# KiCad board 8851_HW-U1-VCU118_REV2-0_071417.kicad_pcb (continued)
## Placement (name value [footprint] x y rotation side) (continued)
Q19  -  [unnamed#80]  198.34 64.3 0 top
Q20  -  [unnamed#115]  199.38 56.3 0 top
Q21  -  [unnamed#11]  222.43 38.15 90 top
Q22  -  [unnamed#9]  174.25 27.68 0 top
Q23  -  [unnamed#11]  222.43 36.03 90 top
Q24  -  [unnamed#9]  201.62 157.93 0 top
Q25  -  [unnamed#52]  187.91 142.93 180 top
Q26  -  [unnamed#141]  200.88 157.55 270 top
Q27  -  [unnamed#9]  87.26 99.11 0 top
Q28  -  [unnamed#41]  171.62 27.55 270 top
Q34  -  [unnamed#9]  2.3 135.07 0 top
Q35  -  [unnamed#9]  4.92 135.44 0 top
Q36  -  [unnamed#9]  211.29 153.86 0 top
Q37  -  [unnamed#9]  202.82 153.84 0 top
Q39  -  [unnamed#119]  42.3 110.27 90 top
Q40  -  [unnamed#173]  50.9 111.42 90 top
Q41  -  [unnamed#9]  207 153.9 0 top
Q42  -  [unnamed#96]  157.17 122.97 270 top
Q43  -  [unnamed#51]  222.66 46.18 180 top
Q45  -  [unnamed#149]  189.45 37.97 90 top
Q47  -  [unnamed#149]  180.33 38.47 90 top
Q48  -  [unnamed#150]  148.88 122.55 270 top
Q49  -  [unnamed#52]  222 54.55 180 top
Q51  -  [unnamed#52]  191.83 47.34 180 top
Q52  -  [unnamed#62]  15.12 70.55 180 top
Q53  -  [unnamed#62]  13.25 70.55 180 top
Q54  -  [unnamed#9]  20.88 65.92 0 top
Q55  -  [unnamed#62]  17 70.55 180 top
Q56  -  [unnamed#9]  20.88 63.8 0 top
Q57  -  [unnamed#9]  18.88 63.17 0 top
Q58  -  [unnamed#141]  201.17 162.27 270 top
Q59  -  [unnamed#9]  40.55 140.31 0 top
Q60  -  [unnamed#11]  43.88 143.45 90 top
Q61  -  [unnamed#38]  170.05 37.23 180 top
R1  -  [unnamed#8]  57.96 46.5 0 top
R2  -  [unnamed#8]  57.96 47.63 0 top
R3  -  [unnamed#180]  115.39 53.48 0 top
R4  -  [unnamed]  149.5 49.8 180 top
R5  -  [unnamed#2]  129 31.18 270 top
R6  -  [unnamed#2]  129 14.83 270 top
R7  -  [unnamed#8]  155.24 38.24 0 top
R8  -  [unnamed]  76.72 129.95 180 top
R9  -  [unnamed#5]  173.99 15.49 90 top
R10  -  [unnamed#2]  57.15 15.95 270 top
R11  -  [unnamed#2]  54.75 15.93 270 top
R12  -  [unnamed#5]  56 15.93 90 top
R13  -  [unnamed#5]  32.38 113.67 90 top
R14  -  [unnamed#2]  203.09 65.3 270 top
R15  -  [unnamed#5]  151.62 67.17 90 top
R16  -  [unnamed#5]  27.25 86.47 90 top
R17  -  [unnamed#2]  150.5 66.19 270 top
R18  -  [unnamed#5]  150.5 68.16 90 top
R19  -  [unnamed#8]  107.87 167.86 0 top
R20  -  [unnamed#5]  149.5 66.19 90 top
R21  -  [unnamed]  78.62 20.18 180 top
R22  -  [unnamed#2]  149.5 68.16 270 top
R23  -  [unnamed#2]  82.25 53.53 270 top
R24  -  [unnamed#5]  82.25 51.57 90 top
R25  -  [unnamed#5]  83.25 53.53 90 top
R26  -  [unnamed#8]  29.62 137.15 0 top
R27  -  [unnamed#8]  29.62 138.4 0 top
R28  -  [unnamed#8]  198.42 20.55 0 top
R29  -  [unnamed#8]  29.69 129.55 0 top
R30  -  [unnamed#8]  29.62 133.4 0 top
R31  -  [unnamed#8]  29.62 134.65 0 top
R32  -  [unnamed]  29.62 135.9 180 top
R33  -  [unnamed#8]  41.95 145.18 0 top
R34  -  [unnamed]  43 138.93 180 top
R35  -  [unnamed#2]  32.25 127.99 270 top
R36  -  [unnamed#8]  201.84 15.29 0 top
R37  -  [unnamed#8]  34.86 79.52 0 top
R38  -  [unnamed#8]  105.12 21.88 0 top
R39  -  [unnamed]  43 137.8 180 top
R40  -  [unnamed#8]  60.43 71.26 0 top
R41  -  [unnamed#8]  60.43 70.13 0 top
R42  -  [unnamed#2]  83.25 51.57 270 top
R43  -  [unnamed#8]  58.58 62.72 0 top
R44  -  [unnamed#5]  31.25 144.28 90 top
R45  -  [unnamed#2]  200.62 28.87 270 top
R46  -  [unnamed]  216.72 26.6 180 top
R47  -  [unnamed]  216.72 19.1 180 top
R48  -  [unnamed#2]  223.82 28.87 270 top
R49  -  [unnamed]  216.72 29.65 180 top
R50  -  [unnamed#8]  60.43 68.88 0 top
R51  -  [unnamed#8]  60.43 67.63 0 top
R52  -  [unnamed#8]  105 129.43 0 top
R53  -  [unnamed]  99.88 133.93 180 top
R54  -  [unnamed#8]  43 141.93 0 top
R55  -  [unnamed#8]  43 140.93 0 top
R56  -  [unnamed#8]  43 139.93 0 top
R57  -  [unnamed#8]  43 134.43 0 top
R58  -  [unnamed#2]  49.22 138.87 270 top
R59  -  [unnamed#5]  47.96 136.67 90 top
R60  -  [unnamed#5]  40.87 130.36 90 top
R61  -  [unnamed#5]  36.14 130.24 90 top
R62  -  [unnamed#8]  43 141.93 0 top
R63  -  [unnamed#8]  43 140.93 0 top
R64  -  [unnamed#8]  43 139.93 0 top
R65  -  [unnamed#8]  43 135.55 0 top
R66  -  [unnamed#2]  39.62 130.3 270 top
R67  -  [unnamed#2]  34.98 130.24 270 top
R68  -  [unnamed]  43 134.43 180 top
R69  -  [unnamed]  43 133.3 180 top
R70  -  [unnamed#5]  42.25 131.49 90 top
R71  -  [unnamed#5]  41 131.49 90 top
R72  -  [unnamed]  46.97 140.62 180 top
R73  -  [unnamed#2]  33.25 131.53 270 top
R74  -  [unnamed]  213.22 64.67 180 top
R75  -  [unnamed#8]  60.46 138.2 0 top
R76  -  [unnamed#5]  80.57 103.39 90 top
R77  -  [unnamed#8]  115 24.05 0 top
R78  -  [unnamed#193]  191.69 59.41 90 top
R79  -  [unnamed#193]  190.71 59.41 90 top
R80  -  [unnamed#8]  199.38 58.3 0 top
R81  -  [unnamed#2]  26.69 148.45 270 top
R82  -  [unnamed]  45.52 148.93 180 top
R83  -  [unnamed]  8.18 132.75 180 top
R84  -  [unnamed#5]  31.3 139.38 90 top
R85  -  [unnamed#2]  48.45 72.82 270 top
R86  -  [unnamed]  94.93 28.95 180 top
R87  -  [unnamed#143]  188.73 147.03 0 top
R88  -  [unnamed#5]  81.12 74.03 90 top
R89  -  [unnamed#8]  58.2 50 0 top
R90  -  [unnamed#8]  58.2 24.83 0 top
R91  -  [unnamed]  46.96 144.63 180 top
R92  -  [unnamed]  46.96 145.88 180 top
R93  -  [unnamed#8]  60.46 140.2 0 top
R94  -  [unnamed#8]  60.46 139.2 0 top
R95  -  [unnamed#5]  183.66 133.55 90 top
R96  -  [unnamed#8]  4.8 133.79 0 top
R97  -  [unnamed#8]  2.4 133.42 0 top
R98  -  [unnamed#2]  179.93 140.1 270 top
R99  -  [unnamed#21]  141.61 125.37 180 top
R100  -  [unnamed#21]  141.61 124.75 180 top
R101  -  [unnamed#195]  187.21 149.85 0 top
R102  -  [unnamed#195]  187.21 149.23 0 top
R103  -  [unnamed#193]  221.46 68.05 90 top
R104  -  [unnamed#193]  220.62 68.05 90 top
R105  -  [unnamed]  87.25 98.67 180 top
R106  -  [unnamed#2]  199.75 157.55 270 top
R107  -  [unnamed#5]  172.62 36.17 90 top
R108  -  [unnamed#2]  149.88 62.92 270 top
R109  -  [unnamed#21]  190.46 117.33 180 top
R110  -  [unnamed#21]  190.46 116.2 180 top
R111  -  [unnamed#193]  170.47 70.4 90 top
R112  -  [unnamed#193]  169.72 70.4 90 top
R113  -  [unnamed#195]  134.16 127.86 0 top
R114  -  [unnamed#195]  134.16 128.61 0 top
R115  -  [unnamed#5]  167.85 24.78 90 top
R116  -  [unnamed]  149.5 38.3 180 top
R117  -  [unnamed#21]  198.82 153.97 180 top
R118  -  [unnamed#21]  200.95 153.47 180 top
R119  -  [unnamed#21]  204.95 156.59 180 top
R120  -  [unnamed#21]  206.82 156.59 180 top
R121  -  [unnamed#21]  208.82 156.59 180 top
R122  -  [unnamed#21]  210.7 156.59 180 top
R123  -  [unnamed#21]  212.57 156.59 180 top
R124  -  [unnamed#21]  214.57 156.59 180 top
R125  -  [unnamed]  144.65 115.55 180 top
R126  -  [unnamed]  32.51 85.55 180 top
R127  -  [unnamed#2]  205.38 160.16 270 top
R128  -  [unnamed#8]  170.84 63.15 0 top
R129  -  [unnamed#8]  170.35 65.4 0 top
R130  -  [unnamed#2]  129.16 127.98 270 top
R131  -  [unnamed]  222 69.94 180 top
R132  -  [unnamed#5]  229.5 88.05 90 top
R133  -  [unnamed]  8.18 129.36 180 top
R134  -  [unnamed]  211.23 150.72 180 top
R135  -  [unnamed]  8.05 130.48 180 top
R136  -  [unnamed]  213.22 67.67 180 top
R137  -  [unnamed]  213.22 65.67 180 top
R138  -  [unnamed]  138.78 17.91 180 top
R139  -  [unnamed#35]  208.84 56.17 0 top
R140  -  [unnamed]  2.99 165.82 180 top
R141  -  [unnamed#8]  213.22 66.67 0 top
R142  -  [unnamed#8]  25 114.05 0 top
R143  -  [unnamed#2]  205.13 167.28 270 top
R144  -  [unnamed#2]  206.75 167.28 270 top
R145  -  [unnamed#2]  208.38 167.28 270 top
R146  -  [unnamed#2]  210.13 167.28 270 top
R147  -  [unnamed#2]  212.5 167.28 270 top
R148  -  [unnamed#2]  214.13 167.28 270 top
R149  -  [unnamed#2]  215.75 167.28 270 top
R150  -  [unnamed#2]  151.34 59.67 270 top
R151  -  [unnamed#2]  217.38 167.28 270 top
R152  -  [unnamed#31]  50.31 105.54 180 top
R153  -  [unnamed#36]  199.95 34.59 90 top
R154  -  [unnamed#5]  206.94 58.5 90 top
R155  -  [unnamed#8]  173.53 133.18 0 top
R156  -  [unnamed#2]  201.84 55.92 270 top
R157  -  [unnamed#2]  209.19 58.37 270 top
R158  -  [unnamed#5]  208.07 58.5 90 top
R159  -  [unnamed]  213.22 63.67 180 top
R160  -  [unnamed#8]  138.78 16.79 0 top
R161  -  [unnamed#31]  200.52 51.82 180 top
R162  -  [unnamed#2]  46.23 130.5 270 top
R163  -  [unnamed]  45.67 138.15 180 top
R164  -  [unnamed]  201.72 156.18 180 top
R165  -  [unnamed#5]  202 160.1 90 top
R166  -  [unnamed#5]  47.35 130.5 90 top
R167  -  [unnamed]  208.72 79.95 180 top
R168  -  [unnamed#101]  187.34 101.95 180 top
R169  -  [unnamed]  232.17 99.15 180 top
R170  -  [unnamed#3]  204.51 82.67 0 top
R171  -  [unnamed#2]  231.92 101.66 270 top
R172  -  [unnamed#31]  134.68 97.89 180 top
R173  -  [unnamed#31]  137.91 15.04 180 top
R174  -  [unnamed#2]  151.38 55.69 270 top
R175  -  [unnamed]  149.5 81.95 180 top
R176  -  [unnamed#2]  95.33 98.92 270 top
R177  -  [unnamed#2]  82.25 75.01 270 top
R178  -  [unnamed#5]  82.25 73.04 90 top
R179  -  [unnamed#5]  83.25 75.01 90 top
R180  -  [unnamed#2]  83.25 73.04 270 top
R181  -  [unnamed#5]  150.22 56.67 90 top
R182  -  [unnamed#2]  150.22 54.71 270 top
R183  -  [unnamed#2]  148.97 56.67 270 top
R184  -  [unnamed#5]  148.97 54.71 90 top
R185  -  [unnamed#5]  150.22 60.66 90 top
R186  -  [unnamed#2]  150.22 58.69 270 top
R187  -  [unnamed#2]  148.97 60.66 270 top
R188  -  [unnamed#5]  148.97 58.69 90 top
R189  -  [unnamed#8]  134.84 120.07 0 top
R190  -  [unnamed#8]  134.84 121.32 0 top
R191  -  [unnamed#8]  155.36 25.77 0 top
R192  -  [unnamed#8]  174.62 36.71 0 top
R193  -  [unnamed#5]  177.12 38.17 90 top
R194  -  [unnamed#2]  103.5 22.93 270 top
R195  -  [unnamed]  113.53 120.62 180 top
R196  -  [unnamed#2]  214.21 80.37 270 top
R197  -  [unnamed#5]  124.34 109.75 90 top
R198  -  [unnamed#8]  46.98 139.35 0 top
R199  -  [unnamed#8]  173.53 134.18 0 top
R200  -  [unnamed#8]  45.62 138.18 0 top
R201  -  [unnamed#5]  41.3 142.45 90 top
R202  -  [unnamed#5]  41.3 142.45 90 top
R203  -  [unnamed#8]  42.96 137.64 0 top
R204  -  [unnamed]  42.93 138.85 180 top
R205  -  [unnamed#8]  38.87 131.96 0 top
R206  -  [unnamed]  36.77 131.93 180 top
R208  -  [unnamed#8]  174.62 40.85 0 top
R210  -  [unnamed#8]  174.25 26.05 0 top
R211  -  [unnamed#2]  20.64 89 270 top
R212  -  [unnamed#2]  19.63 89.01 270 top
R213  -  [unnamed#8]  174.62 37.74 0 top
R214  -  [unnamed#8]  173.53 131.18 0 top
R215  -  [unnamed#5]  141 24.05 90 top
R216  -  [unnamed]  76.12 122.17 180 top
R217  -  [unnamed#8]  171 41.17 0 top
R218  -  [unnamed#5]  177.12 40.3 90 top
R219  -  [unnamed#2]  170 27.55 270 top
R220  -  [unnamed]  166.88 41.03 180 top
R221  -  [unnamed]  166.88 37.92 180 top
R222  -  [unnamed#8]  166.88 39.99 0 top
R223  -  [unnamed#8]  166.88 38.96 0 top
R229  -  [unnamed]  174.62 39.81 180 top
R231  -  [unnamed#185]  177.91 142.43 180 top
R236  -  [unnamed#195]  216.57 156.59 0 top
R237  -  [unnamed#13]  74.32 100.01 270 top
R238  -  [unnamed#13]  77.82 100.01 270 top
R239  -  [unnamed#13]  76.82 103.39 270 top
R240  -  [unnamed#13]  79.57 100.01 270 top
R241  -  [unnamed#13]  78.07 103.39 270 top
R242  -  [unnamed#13]  84.32 100.01 270 top
R243  -  [unnamed#13]  75.57 103.39 270 top
R244  -  [unnamed#13]  83.07 103.39 270 top
R245  -  [unnamed#13]  81.82 103.39 270 top
R246  -  [unnamed#13]  71.07 100.01 270 top
R247  -  [unnamed#13]  68.07 100.01 270 top
R249  -  [unnamed#13]  65.82 100.01 270 top
R250  -  [unnamed#13]  68.07 103.39 270 top
R251  -  [unnamed#13]  65.07 100.01 270 top
R252  -  [unnamed#13]  75.32 100.01 270 top
R253  -  [unnamed#13]  74.32 103.39 270 top
R254  -  [unnamed#13]  73.32 100.01 270 top
R255  -  [unnamed#13]  82.32 100.01 270 top
R256  -  [unnamed#13]  83.32 100.01 270 top
R257  -  [unnamed#13]  70.82 103.39 270 top
R258  -  [unnamed#13]  71.82 103.39 270 top
R259  -  [unnamed#5]  69.32 103.39 90 top
R266  -  [unnamed#2]  77.01 22.11 270 top
R273  -  [unnamed]  219.75 152.78 180 top
R299  -  [unnamed#2]  64.38 85.42 270 top
R300  -  [unnamed#2]  64.38 83.3 270 top
R308  -  [unnamed#8]  107.87 165.11 0 top
R316  -  [unnamed#8]  210.71 146.26 0 top
R318  -  [unnamed]  174.62 38.78 180 top
R319  -  [unnamed#5]  169.12 40.55 90 top
R321  -  [unnamed]  190.75 166.98 180 top
R323  -  [unnamed]  198.37 144.94 180 top
R324  -  [unnamed#5]  224.47 38.15 90 top
R327  -  [unnamed]  222.32 33.17 180 top
R331  -  [unnamed]  124.67 139.21 180 top
R333  -  [unnamed#5]  185.08 31.35 90 top
R334  -  [unnamed#8]  213.57 153.59 0 top
R345  -  [unnamed#8]  50.37 169.49 0 top
R346  -  [unnamed#2]  110 167.18 270 top
R352  -  [unnamed]  145.62 112.55 180 top
R354  -  [unnamed#2]  49.08 136.67 270 top
R355  -  [unnamed#5]  50.34 138.87 90 top
R356  -  [unnamed]  60.46 137.2 180 top
R362  -  [unnamed]  173.53 132.18 180 top
R377  -  [unnamed#5]  151.75 75.67 90 top
R378  -  [unnamed]  149.5 73.17 180 top
R379  -  [unnamed]  82.75 66.05 180 top
R380  -  [unnamed]  149.5 48.67 180 top
R383  -  [unnamed]  149.5 74.3 180 top
R384  -  [unnamed#2]  151.62 73.42 270 top
R385  -  [unnamed]  75.14 56.16 180 top
R386  -  [unnamed]  75.14 42.28 180 top
R388  -  [unnamed#8]  57.62 87.42 0 top
R389  -  [unnamed#8]  57.62 86.3 0 top
R399  -  [unnamed#8]  145.62 113.8 0 top
R418  -  [unnamed#2]  114.95 31.2 270 top
R421  -  [unnamed#5]  221.88 148.03 90 top
R422  -  [unnamed#5]  172.62 38.3 90 top
R424  -  [unnamed]  203.88 146.18 180 top
R434  -  [unnamed#5]  184.91 142.93 90 top
R435  -  [unnamed#5]  122.17 139.34 90 top
R460  -  [unnamed#8]  201.36 142.67 0 top
R463  -  [unnamed#5]  177.56 140.48 90 top
R464  -  [unnamed#2]  178.81 140.23 270 top
R467  -  [unnamed#2]  218 159.71 270 top
R468  -  [unnamed#2]  220.08 159.71 270 top
R472  -  [unnamed#5]  222.63 167.37 90 top
R473  -  [unnamed#8]  219.75 168.37 0 top
R478  -  [unnamed#5]  222.13 159.71 90 top
R479  -  [unnamed#2]  185.87 166.54 270 top
R480  -  [unnamed#5]  185.87 164.7 90 top
R481  -  [unnamed#5]  218.88 163.16 90 top
R482  -  [unnamed#5]  220.63 163.28 90 top
R483  -  [unnamed#5]  222.38 163.28 90 top
R484  -  [unnamed#5]  226.63 164.68 90 top
R486  -  [unnamed#5]  217.25 163.28 90 top
R487  -  [unnamed#5]  215.63 163.28 90 top
R488  -  [unnamed#5]  211.88 163.66 90 top
R492  -  [unnamed#2]  209.5 160.16 270 top
R498  -  [unnamed#8]  15.15 62.47 0 top
R499  -  [unnamed]  217.75 149.41 180 top
R500  -  [unnamed]  222.32 34.42 180 top
R501  -  [unnamed]  222.32 30.68 180 top
R502  -  [unnamed]  222.32 31.93 180 top
R515  -  [unnamed#8]  173.53 135.18 0 top
R547  -  [unnamed#2]  131.75 31.18 270 top
R548  -  [unnamed#5]  130.62 31.18 90 top
R553  -  [unnamed#8]  27.25 83.9 0 top
R554  -  [unnamed#8]  27.25 81.4 0 top
R556  -  [unnamed#193]  69.8 45.21 90 top
R557  -  [unnamed#13]  70.43 45.21 270 top
R558  -  [unnamed#193]  69.8 31.34 90 top
R559  -  [unnamed#13]  70.43 31.34 270 top
R560  -  [unnamed#5]  129.5 31.18 90 top
R563  -  [unnamed#8]  161.51 14.98 0 top
R564  -  [unnamed#13]  70.07 100.01 270 top
R565  -  [unnamed#8]  81.96 93.53 0 top
R566  -  [unnamed#8]  81.95 92.28 0 top
R567  -  [unnamed#13]  65.82 103.39 270 top
R568  -  [unnamed#13]  84.32 103.39 270 top
R569  -  [unnamed#13]  64.82 103.39 270 top
R573  -  [unnamed]  9.18 153.9 180 top
R574  -  [unnamed]  9.18 155.77 180 top
R575  -  [unnamed]  5.17 168.4 180 top
R580  -  [unnamed]  138.57 113.82 180 top
R581  -  [unnamed]  134.85 113.82 180 top
R582  -  [unnamed]  138.56 112.56 180 top
R594  -  [unnamed#5]  83.25 69.66 90 top
R595  -  [unnamed#2]  83.25 67.69 270 top
R596  -  [unnamed#2]  82.25 69.66 270 top
R597  -  [unnamed#5]  82.25 67.69 90 top
R598  -  [unnamed#2]  224.85 168.13 270 top
R600  -  [unnamed]  140.59 113.82 180 top
R601  -  [unnamed#8]  134.85 112.56 0 top
R602  -  [unnamed]  138.56 112.57 180 top
R603  -  [unnamed#8]  50.09 140.62 0 top
R604  -  [unnamed#8]  50.09 141.99 0 top
R607  -  [unnamed]  46.97 142.24 180 top
R608  -  [unnamed]  46.97 143.37 180 top
R611  -  [unnamed#8]  60.44 146.73 0 top
R612  -  [unnamed#8]  60.46 145.62 0 top
R613  -  [unnamed#8]  60.46 144.51 0 top
R614  -  [unnamed#8]  60.46 143.41 0 top
R617  -  [unnamed#8]  60.46 142.3 0 top
R618  -  [unnamed#8]  60.46 141.2 0 top
R621  -  [unnamed]  138.32 114.94 180 top
R622  -  [unnamed]  138.32 116.07 180 top
R623  -  [unnamed]  138.32 117.19 180 top
R624  -  [unnamed]  138.32 119.44 180 top
R625  -  [unnamed]  138.32 118.32 180 top
R626  -  [unnamed]  138.32 121.69 180 top
R627  -  [unnamed]  138.32 120.57 180 top
R628  -  [unnamed#5]  140.15 122.1 90 top
R629  -  [unnamed#8]  134.84 122.57 0 top
R630  -  [unnamed#8]  134.84 123.82 0 top
R637  -  [unnamed#2]  222.63 150.66 270 top
R638  -  [unnamed#2]  222.88 154.41 270 top
R639  -  [unnamed#5]  221.38 150.66 90 top
R640  -  [unnamed#2]  221.38 150.66 270 top
R682  -  [unnamed#2]  57.52 136.59 270 top
R683  -  [unnamed#2]  58.77 136.59 270 top
R687  -  [unnamed#5]  107.88 25.68 90 top
R692  -  [unnamed#5]  81.12 52.55 90 top
R700  -  [unnamed#5]  100.92 98.92 90 top
R704  -  [unnamed]  75.14 70.03 180 top
R705  -  [unnamed]  75.14 97.78 180 top
R706  -  [unnamed#193]  69.8 59.09 90 top
R707  -  [unnamed#13]  70.43 59.09 270 top
R708  -  [unnamed#193]  69.38 88.09 90 top
R709  -  [unnamed#13]  70.01 88.09 270 top
R712  -  [unnamed]  187.38 140.8 180 top
R724  -  [unnamed#8]  28.08 131.45 0 top
R726  -  [unnamed#8]  5.75 126.77 0 top
R727  -  [unnamed]  14.65 106.53 180 top
R728  -  [unnamed]  14.65 107.78 180 top
R729  -  [unnamed]  14.65 109.03 180 top
R730  -  [unnamed]  14.65 110.28 180 top
R748  -  [unnamed]  2.57 126.53 180 top
R756  -  [unnamed#2]  183.95 31.35 270 top
R772  -  [unnamed]  23.93 130.05 180 top
R773  -  [unnamed]  23.93 132.55 180 top
R774  -  [unnamed]  23.93 131.3 180 top
R775  -  [unnamed#2]  22.35 134.35 270 top
R776  -  [unnamed#8]  23.93 133.8 0 top
R784  -  [unnamed#2]  5.85 132.15 270 top
R785  -  [unnamed#2]  5.55 138.38 270 top
R786  -  [unnamed#8]  5.12 138.93 0 top
R787  -  [unnamed#5]  5.78 129.52 90 top
R792  -  [unnamed#5]  159.62 24.3 90 top
R793  -  [unnamed#5]  160.81 24.29 90 top
R796  -  [unnamed#180]  110.47 71.19 0 top
R798  -  [unnamed#19]  121.8 69.73 270 top
R799  -  [unnamed#2]  158.17 18.97 270 top
R801  -  [unnamed#2]  159.63 15.34 270 top
R802  -  [unnamed#5]  165.36 14.98 90 top
R803  -  [unnamed#5]  158.43 15.34 90 top
R804  -  [unnamed#5]  165.37 17.12 90 top
R805  -  [unnamed#8]  10.54 116.39 0 top
R808  -  [unnamed#8]  27 110.8 0 top
R809  -  [unnamed#5]  30.52 104.88 90 top
R810  -  [unnamed]  8.05 135 180 top
R811  -  [unnamed]  8.05 133.88 180 top
R812  -  [unnamed]  8.18 131.61 180 top
R813  -  [unnamed#8]  10.56 117.51 0 top
R814  -  [unnamed]  10.54 115.26 180 top
R815  -  [unnamed#8]  26.98 107.1 0 top
R816  -  [unnamed]  26.98 109.6 180 top
R817  -  [unnamed]  29.62 113.17 180 top
R818  -  [unnamed#2]  31.77 104.88 270 top
R819  -  [unnamed]  26.98 105.85 180 top
R820  -  [unnamed#5]  224.47 36.03 90 top
R821  -  [unnamed#8]  34.73 104.67 0 top
R823  -  [unnamed]  16.74 117.32 180 top
R824  -  [unnamed#5]  41.62 103.98 90 top
R826  -  [unnamed#2]  23.48 128.27 270 top
R827  -  [unnamed#2]  31.25 113.67 270 top
R828  -  [unnamed#2]  13.94 118.31 270 top
R830  -  [unnamed#2]  215.88 159.78 270 top
R832  -  [unnamed]  34.73 105.8 180 top
R837  -  [unnamed#8]  216.72 14.62 0 top
R838  -  [unnamed#8]  216.72 22.15 0 top
R839  -  [unnamed#8]  218.22 34.1 0 top
R840  -  [unnamed#5]  205.07 28.75 90 top
R841  -  [unnamed#5]  219.37 28.87 90 top
R854  -  [unnamed#5]  13.09 112.45 90 top
R855  -  [unnamed#5]  13.09 109.95 90 top
R856  -  [unnamed#5]  13.09 107.45 90 top
R857  -  [unnamed#5]  13.09 104.95 90 top
R858  -  [unnamed#2]  9.88 70.43 270 top
R859  -  [unnamed#2]  11.26 70.41 270 top
R860  -  [unnamed#8]  10.54 68.55 0 top
R861  -  [unnamed#5]  54.16 147.25 90 top
R888  -  [unnamed#8]  176.75 165.38 0 top
R890  -  [unnamed#8]  176.75 162.63 0 top
R891  -  [unnamed#8]  118.79 167.78 0 top
R892  -  [unnamed#8]  178.43 166.86 0 top
R893  -  [unnamed]  75.14 83.91 180 top
R894  -  [unnamed#193]  69.8 72.96 90 top
R895  -  [unnamed#13]  70.43 72.96 270 top
R896  -  [unnamed#5]  162.4 98.64 90 top
R897  -  [unnamed]  167.23 88.92 180 top
R898  -  [unnamed]  167.23 90.17 180 top
R899  -  [unnamed#5]  151.15 98.64 90 top
R900  -  [unnamed#2]  144.25 103.67 270 top
R901  -  [unnamed]  142.25 102.42 180 top
R902  -  [unnamed#13]  159.03 102.39 270 top
R903  -  [unnamed#13]  163.65 98.64 270 top
R904  -  [unnamed#13]  161.53 102.39 270 top
R905  -  [unnamed#13]  161.15 98.64 270 top
R906  -  [unnamed#13]  156.15 98.64 270 top
R907  -  [unnamed#13]  166.15 98.64 270 top
R908  -  [unnamed#13]  154.9 98.64 270 top
R909  -  [unnamed#13]  166.15 102.39 270 top
R910  -  [unnamed#13]  157.4 98.64 270 top
R911  -  [unnamed#13]  156.53 102.39 270 top
R912  -  [unnamed#13]  151.65 102.39 270 top
R913  -  [unnamed#13]  155.28 102.39 270 top
R914  -  [unnamed#13]  148.65 98.64 270 top
R915  -  [unnamed#13]  147.4 98.64 270 top
R916  -  [unnamed#13]  157.78 102.39 270 top
R917  -  [unnamed#13]  162.78 102.39 270 top
R918  -  [unnamed#13]  159.9 98.64 270 top
R919  -  [unnamed#13]  163.65 102.39 270 top
R920  -  [unnamed#13]  167.4 102.39 270 top
R921  -  [unnamed#13]  149.9 98.64 270 top
R922  -  [unnamed#13]  153.65 98.64 270 top
R923  -  [unnamed#13]  150.53 102.39 270 top
R924  -  [unnamed#13]  152.78 102.39 270 top
R925  -  [unnamed#13]  167.4 98.64 270 top
R926  -  [unnamed#193]  149.4 102.26 90 top
R928  -  [unnamed]  142.88 97.42 180 top
R929  -  [unnamed]  143 98.8 180 top
R930  -  [unnamed#8]  155.24 52.24 0 top
R931  -  [unnamed#8]  155.24 66.12 0 top
R932  -  [unnamed#8]  155.24 80.12 0 top
R933  -  [unnamed#8]  155.24 93.99 0 top
R934  -  [unnamed#8]  107.88 157.11 0 top
R935  -  [unnamed#13]  162.49 42.37 270 top
R936  -  [unnamed#193]  161.86 42.37 90 top
R937  -  [unnamed#13]  162.49 56.24 270 top
R938  -  [unnamed#193]  161.86 56.24 90 top
R939  -  [unnamed#13]  162.49 70.12 270 top
R940  -  [unnamed#193]  161.86 70.12 90 top
R941  -  [unnamed#13]  162.49 83.99 270 top
R942  -  [unnamed#193]  161.86 83.99 90 top
R943  -  [unnamed#13]  162.49 28.37 270 top
R944  -  [unnamed#193]  161.86 28.37 90 top
R945  -  [unnamed#2]  207.38 160.16 270 top
R951  -  [unnamed#2]  93.02 114.55 270 top
R952  -  [unnamed#21]  100.63 119.61 180 top
R953  -  [unnamed#13]  93.9 123.97 270 top
R954  -  [unnamed#193]  90.78 106.66 90 top
R955  -  [unnamed#195]  82.93 118.27 0 top
R956  -  [unnamed#21]  100.63 114.73 180 top
R957  -  [unnamed#21]  100.63 118.86 180 top
R958  -  [unnamed#195]  82.93 110.4 0 top
R959  -  [unnamed#195]  82.93 112.37 0 top
R960  -  [unnamed#195]  82.93 109.41 0 top
R961  -  [unnamed#195]  100.63 112.86 0 top
R962  -  [unnamed#195]  100.63 114.73 0 top
R963  -  [unnamed#195]  82.93 113.35 0 top
R964  -  [unnamed#195]  82.93 117.29 0 top
R965  -  [unnamed#193]  87.82 106.66 90 top
R966  -  [unnamed#195]  82.93 115.32 0 top
R967  -  [unnamed#13]  93 123.92 270 top
R968  -  [unnamed#21]  100.63 113.73 180 top
R969  -  [unnamed#195]  100.63 118.86 0 top
R970  -  [unnamed#195]  82.93 111.38 0 top
R971  -  [unnamed#195]  82.93 116.3 0 top
R972  -  [unnamed#21]  100.63 115.48 180 top
R973  -  [unnamed#195]  100.63 115.48 0 top
R974  -  [unnamed#21]  100.63 112.86 180 top
R975  -  [unnamed#193]  89.79 106.66 90 top
R976  -  [unnamed#193]  94.6 106.63 90 top
R977  -  [unnamed#193]  88.81 106.66 90 top
R978  -  [unnamed#195]  100.63 113.73 0 top
R988  -  [unnamed]  92.25 122.17 180 top
R989  -  [unnamed#5]  98.78 106.31 90 top
R990  -  [unnamed#193]  84.88 116.67 90 top
R991  -  [unnamed#5]  55.36 133.76 90 top
R992  -  [unnamed#8]  53.77 133.23 0 top
R1001  -  [unnamed#5]  83.62 90.17 90 top
R1002  -  [unnamed#2]  83.62 77.3 270 top
R1007  -  [unnamed]  77.62 122.92 180 top
R1008  -  [unnamed#8]  56.39 129.08 0 top
R1009  -  [unnamed#2]  57.9 129.36 270 top
R1013  -  [unnamed#2]  211.63 160.16 270 top
R1015  -  [unnamed#2]  141.1 18.77 270 top
R1016  -  [unnamed#8]  140.62 25.8 0 top
R1017  -  [unnamed#2]  155.12 23.8 270 top
R1018  -  [unnamed#2]  154.87 17.52 270 top
R1019  -  [unnamed#5]  141.25 17.93 90 top
R1020  -  [unnamed]  49.6 122.12 180 top
R1021  -  [unnamed#8]  42.68 115.02 0 top
R1022  -  [unnamed]  49.48 118.87 180 top
R1023  -  [unnamed#182]  123.26 56.43 180 top
R1024  -  [unnamed#182]  134.09 51.51 180 top
R1028  -  [unnamed#2]  40.3 124.68 270 top
R1029  -  [unnamed#4]  51.8 120.77 90 top
R1052  -  [unnamed]  49.6 122.12 180 top
R1070  -  [unnamed#5]  41.3 124.68 90 top
R1071  -  [unnamed]  82.75 57.42 180 top
R1072  -  [unnamed]  82.23 42.62 180 top
R1073  -  [unnamed]  82.75 58.55 180 top
R1074  -  [unnamed#8]  50.05 113.77 0 top
R1075  -  [unnamed#8]  49.6 121.12 0 top
R1076  -  [unnamed]  49.48 120 180 top
R1077  -  [unnamed#2]  44.3 124.77 270 top
R1078  -  [unnamed#2]  43.3 124.68 270 top
R1079  -  [unnamed#5]  48.5 110.42 90 top
R1083  -  [unnamed#5]  118.86 31.27 90 top
R1084  -  [unnamed#5]  120.11 31.27 90 top
R1085  -  [unnamed#5]  121.49 31.27 90 top
R1087  -  [unnamed#5]  122.61 31.27 90 top
R1088  -  [unnamed#2]  133.88 31.05 270 top
R1090  -  [unnamed#5]  56.56 116.44 90 top
R1092  -  [unnamed#5]  61.85 62.85 90 top
R1094  -  [unnamed#8]  57.96 21.33 0 top
R1095  -  [unnamed#8]  57.96 22.45 0 top
R1096  -  [unnamed]  58.2 116.8 180 top
R1097  -  [unnamed#5]  56.7 119.05 90 top
R1100  -  [unnamed#5]  59.52 118.96 90 top
R1101  -  [unnamed#8]  21.35 154.02 0 top
R1103  -  [unnamed#5]  7.8 158.4 90 top
R1104  -  [unnamed#5]  9.18 158.4 90 top
R1105  -  [unnamed#13]  69.13 100.04 270 top
R1106  -  [unnamed#193]  146.95 102.22 90 top
R1107  -  [unnamed]  222 52.67 180 top
R1108  -  [unnamed#8]  208.32 46 0 top
R1109  -  [unnamed#8]  180.7 23.59 0 top
R1111  -  [unnamed]  158.17 118.1 180 top
R1112  -  [unnamed#8]  151.37 114.87 0 top
R1113  -  [unnamed#5]  218.41 45.43 90 top
R1114  -  [unnamed#2]  214.56 52.23 270 top
R1116  -  [unnamed#5]  192.7 20.22 90 top
R1124  -  [unnamed#2]  22.55 136.9 270 top
R1125  -  [unnamed#5]  157.55 108.6 90 top
R1126  -  [unnamed#8]  208.28 45.05 0 top
R1127  -  [unnamed#2]  151.12 122.05 270 top
R1130  -  [unnamed#8]  180.7 22.34 0 top
R1131  -  [unnamed#5]  160.55 108.6 90 top
R1132  -  [unnamed#5]  158.55 108.58 90 top
R1133  -  [unnamed#8]  208.28 43.05 0 top
R1135  -  [unnamed]  189.5 50.67 180 top
R1136  -  [unnamed#189]  149.05 112.97 270 top
R1137  -  [unnamed#185]  212.16 54.55 180 top
R1139  -  [unnamed#185]  188.33 43.47 180 top
R1140  -  [unnamed#8]  173.17 19.73 0 top
R1141  -  [unnamed]  83.03 114.43 180 top
R1142  -  [unnamed]  66.15 112.06 180 top
R1143  -  [unnamed#2]  159.55 108.6 270 top
R1144  -  [unnamed]  208.28 44.05 180 top
R1145  -  [unnamed]  83.65 119.68 180 top
R1147  -  [unnamed#2]  188.83 31.35 270 top
R1148  -  [unnamed]  101.03 117.68 180 top
R1154  -  [unnamed]  148.8 119.97 180 top
R1155  -  [unnamed#5]  219.66 54.8 90 top
R1157  -  [unnamed]  199.2 42.72 180 top
R1158  -  [unnamed]  151.25 112.62 180 top
R1159  -  [unnamed#8]  151.37 113.75 0 top
R1160  -  [unnamed#5]  212.31 52.35 90 top
R1161  -  [unnamed#2]  213.43 52.23 270 top
R1164  -  [unnamed#5]  186.33 31.35 90 top
R1165  -  [unnamed#2]  187.58 31.35 270 top
R1166  -  [unnamed#5]  156.55 108.6 90 top
R1167  -  [unnamed#8]  208.28 47.05 0 top
R1169  -  [unnamed#8]  180.7 26.1 0 top
R1170  -  [unnamed#8]  180.7 24.84 0 top
R1171  -  [unnamed#146]  144.01 125 90 top
R1172  -  [unnamed#143]  223.48 58.03 0 top
R1174  -  [unnamed#2]  42.3 124.68 270 top
R1177  -  [unnamed#5]  81.12 68.67 90 top
R1183  -  [unnamed#5]  213.75 163.66 90 top
R1190  -  [unnamed]  57.53 35.6 180 top
R1192  -  [unnamed#8]  61.58 118.85 0 top
R1193  -  [unnamed#2]  96.56 124.23 270 top
R1194  -  [unnamed#2]  94.06 124.36 270 top
R1195  -  [unnamed#2]  99.06 124.23 270 top
R1196  -  [unnamed#8]  21.18 132 0 top
R1197  -  [unnamed#8]  24.55 141.6 0 top
R1198  -  [unnamed#2]  77.01 24.49 270 top
R1199  -  [unnamed#2]  180.38 42.33 270 top
R1200  -  [unnamed#8]  166.68 140.17 0 top